# Altium PCB hosin.PcbDoc
Units mm, origin at the board's own origin, x right, y up, seen from the top; angles counter-clockwise.
Board outline 90.57 x 150.86 mm, 2 copper layers (Top Layer, Bottom Layer); 52 components, 52 nets, 196 pads, 7 vias.
Unrouted connection lines stored in the file: 2.
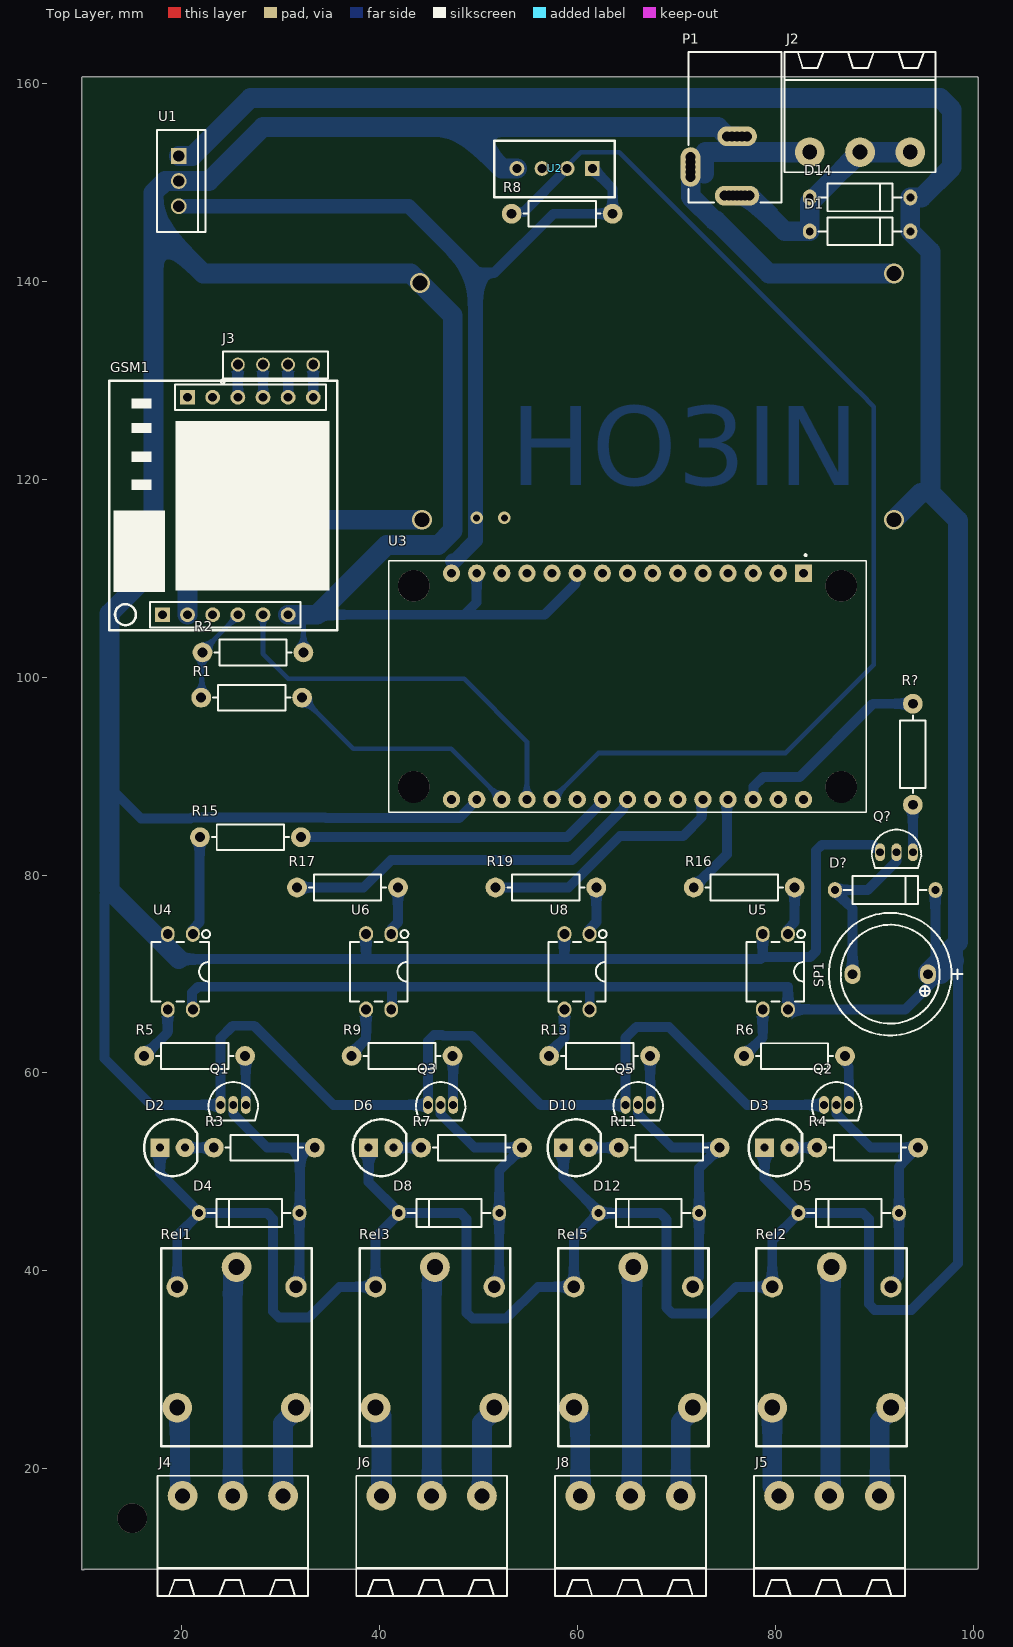
[diagram p0: Top Layer view]
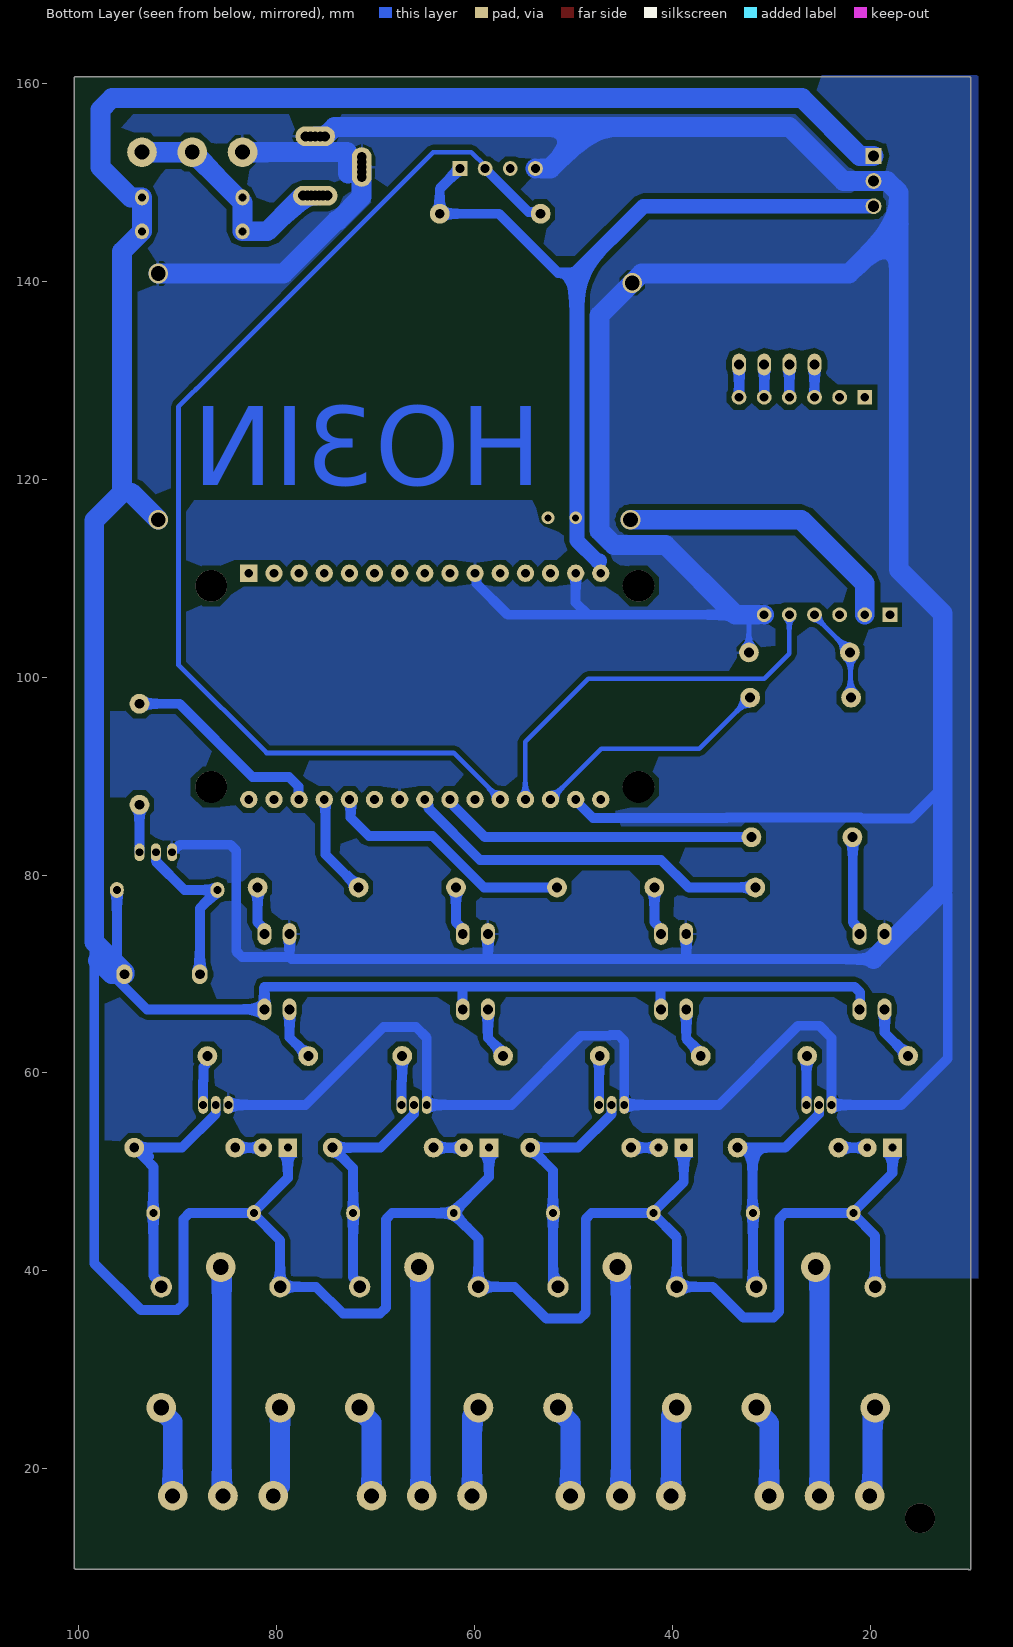
[diagram p1: Bottom Layer view, seen from below]

## Layer stack, top to bottom
Top Solder: solder mask 0.0102, Solder Resist, Dk 3.5
Top Layer: signal copper 0.0356
Dielectric 1: dielectric 0.32, FR-4, Dk 4.8
Bottom Layer: signal copper 0.0356
Bottom Solder: solder mask 0.0102, Solder Resist, Dk 3.5

## Board outline
9.88,9.906 9.88,130.429 9.88,160.528 cw(c10,160.528) 10,160.648 100.33,160.648 cw(c100.33,160.528) 100.45,160.528 100.45,10 cw(c100.33,10) 100.33,9.88 10.117,9.88 cw(c10,9.906)

## Design rules (kind name [scope] priority, off if disabled: settings)
Clearance [All] p1: gap=0.5 ignorepadtopadclearanceinfootprint=FALSE
DiffPairsRouting [All] p1: maxlimit=0.4 minlimit=0.05 mostfreqgap=0.2 toplayer_minwidth=0.1 toplayer_maxwidth=0.381 toplayer_prefwidth=0.2 bottomlayer_minwidth=0.1 bottomlayer_maxwidth=0.381 bottomlayer_prefwidth=0.2 maxuncoupledlength=12.7
PolygonConnect [All] p1: connectstyle=Relief reliefconductorwidth=0.254 reliefentries=4 polygonreliefangle="90 Angle" airgapwidth=0.254
RoutingCorners [All] p1: cornerstyle=45-Degree minsetback=0.254 maxsetback=0.254
RoutingVias [All] p1: holewidth=0.711 width=1.27 viastyle="Through Hole" minholewidth=0.711 minwidth=1.27 maxholewidth=0.711 maxwidth=1.27
SolderMaskExpansion [All] p1: expansion=0.102 istentingtop=FALSE
Width [All] p1: maxlimit=2 minlimit=0.24 preferedwidth=0.48
28 further rules are at their usual default settings.

## Components (designator, comment, footprint, x,y, rotation, side; value= is the part's Value field where it differs from the comment)
D1 "1N4007" D_AX04_DO41 88.519,145.034 r0 top
D2 "LED" LED 19.05,52.451 r180 top
D3 "LED" LED 80.137,52.451 r180 top
D4 "1N4007" D_AX04_DO41 26.797,45.847 r180 top
D5 "1N4007" D_AX04_DO41 87.376,45.847 r180 top
D6 "LED" LED 40.132,52.451 r180 top
D8 "1N4007" D_AX04_DO41 46.99,45.847 r180 top
D10 "LED" LED 59.817,52.451 r180 top
D12 "1N4007" D_AX04_DO41 67.183,45.847 r180 top
D14 "1N4007" D_AX04_DO41 88.519,148.463 r0 top
D? "1N4007" D_AX04_DO41 91.059,78.486 r0 top
GSM1 "Sim800L" Sim800L 12.929,104.699 r90 top
J2 "CONN_TB3" MSTB_3 88.519,153.035 r0 top
J3 "HDRF4" HDR_F_1X4 29.464,131.572 r0 top
J4 "CONN_TB3" MSTB_3 25.146,17.272 r180 top
J5 "CONN_TB3" MSTB_3 85.42,17.272 r180 top
J6 "CONN_TB3" MSTB_3 45.237,17.272 r180 top
J8 "CONN_TB3" MSTB_3 65.329,17.272 r180 top
P1 "PJ" "Power Jack" 76.093,163.135 r270 top
Q1 "C945" TO92_3#1 25.188,56.769 r0 top
Q2 "C945" TO92_3#1 86.148,56.769 r0 top
Q3 "C945" TO92_3#1 46.143,56.769 r0 top
Q5 "C945" TO92_3#1 66.102,56.769 r0 top
Q? "C945" TO92_3#2 92.202,82.296 r0 top
R1 "2.2K" R025W_AX04 27.051,97.917 r180 top
R2 "1K" R025W_AX04 27.178,102.489 r180 top
R3 "2.2K" R025W_AX04 28.321,52.451 r0 top
R4 "2.2K" R025W_AX04 89.281,52.451 r0 top
R5 "1K" R025W_AX04 21.292,61.723 r0 top
R6 "1K" R025W_AX04 81.895,61.702 r0 top
R7 "2.2K" R025W_AX04 49.276,52.451 r0 top
R8 "1K" R025W_AX04 58.42,146.812 r180 top
R9 "1K" R025W_AX04 42.247,61.723 r0 top
R11 "2.2K" R025W_AX04 69.235,52.451 r0 top
R13 "1K" R025W_AX04 62.21,61.723 r0 top
R15 "220" R025W_AX04 26.924,83.82 r180 top
R16 "220" R025W_AX04 76.814,78.74 r0 top
R17 "220" R025W_AX04 36.733,78.74 r0 top
R19 "220" R025W_AX04 56.773,78.74 r0 top
R? "1K" R025W_AX04 93.853,92.202 r270 top
Rel1 "RelayGH-1C-12L" GH-1C-12L 25.527,32.288 r90 top
Rel2 "RelayGH-1C-12L" GH-1C-12L 85.649,32.288 r90 top
Rel3 "RelayGH-1C-12L" GH-1C-12L 45.568,32.288 r90 top
Rel5 "RelayGH-1C-12L" GH-1C-12L 65.608,32.288 r90 top
SP1 "" "BUZZER 7.62mm DC" 91.567,69.977 r180 top
U1 "7805" 7805_Requlator 19.685,150.114 r270 top
U2 "DHT11" DHT11 57.658,151.384 r180 top
U3 "NodeMCU" NodeMCU 11.303,240.919 r270 top
U4 "PC817" DIP_4 19.84,70.231 r270 top
U5 "PC817" DIP_4 79.962,70.231 r270 top
U6 "PC817" DIP_4 39.881,70.231 r270 top
U8 "PC817" DIP_4 59.922,70.231 r270 top

## Footprints (in the part's own frame and the unit in brackets; to place one, negate y for a bottom-side part, rotate by r counter-clockwise, add the part's x,y. Pads: shape width x height; smd on the part's side, far side on the other; paste and mask are expansions set on the pad)
7805_Requlator [mm] "7805 Positive Regulator"
  rect 1.6x1.6 hole 1.143: 1(-2.54,0)
  round 1.6 hole 1.143: 2(0,0) 3(2.54,0)
  silkscreen extent -5.15,-2.2 5.15,2.7, body extent -4.95,-2.16 4.95,2.34, height 20.8
"BUZZER 7.62mm DC" [mm] "BUZZER 12mm DIA , 7.62mm pitch DESIGNER ABBAS BASEREH"
  oval 1.6x2 hole 1: 1(-3.81,0) 2(3.81,0)
  silkscreen extent -7.3,-6.2 6.2,6.2, body extent -6,-6 6,6, height 9.5
D_AX04_DO41 [mm] "DIODE 0.4 INCH SPACING DO-41"
  oval 1.4x1.6 hole 0.8: 1(-5.08,0) 2(5.08,0)
  silkscreen extent -4.2,-1.4 4.2,1.4, body extent -5.68,-1.32 5.68,1.4, height 2.85
DHT11 [mm] "(Make www.tarahiboard.com)"
  rect 1.5x1.5 hole 0.9: 1(-3.81,0)
  round 1.5 hole 0.9: 2(-1.27,0) 3(1.27,0) 4(3.81,0)
  silkscreen extent -6.1,-2.79 6.1,2.92, body extent -6.03,-2.75 5.97,2.75, height 18.25
DIP_4 [mm] "BRIDGE DIODE, DIP, pitch 2.54mm, 300mil Width"
  oval 1.6x1.4 / inner round 1.4 / far side oval 2.2x1.4 hole 1: 1(-3.81,1.27) 2(-3.81,-1.27) 3(3.81,-1.27) 4(3.81,1.27)
  silkscreen extent -4.2,-2.9 3,3, body extent -4,-2.77 4,2.77, height 4.31
GH-1C-12L [mm]
  round 3 hole 1.6: 1(8.1,0) 3(-6.1,6) 4(-6.1,-6)
  round 2.159 hole 1.27: 2(6.1,6) 5(6.1,-6)
  silkscreen extent -10,-7.6 10,7.6, body extent -9.71,-7.98 9.79,7.92, height 15
HDR_F_1X4 [mm] "HEADER FEMALE pitch: 2.54mm"
  round 1.4 / inner round 1.4 / far side oval 1.4x2.2 hole 1 mask+0.1: 1(-3.81,0) 2(-1.27,0) 3(1.27,0) 4(3.81,0)
  silkscreen extent -5.54,-1.9 5.3,1.3, body extent -5.2,-1.3 5.21,1.2, height 8.5
LED [mm]
  rect 1.9x1.9 hole 0.8: 1(1.27,0)
  round 1.9 hole 0.8: 2(-1.27,0)
  silkscreen extent -2.52,-2.87 2.87,2.87, body extent -2.95,-2.95 2.95,2.95, height 8.79
MSTB_3 [mm] "PHOENIX MSTB 2, 5-G, 5.08mm pitch, 3pin"
  round 3 hole 1.5: 1(-5.08,0) 2(0,0) 3(5.08,0)
  silkscreen extent -7.62,-2.03 7.62,10.1, body extent -7.5,-2 7.5,10, height 8.6
NodeMCU [mil]
  rect 69x69 hole 35: 1(5135,2815)
  round 69 hole 35: 2(5135,2715) 3(5135,2615) 4(5135,2515) 5(5135,2415) 6(5135,2315) 7(5135,2215) 8(5135,2115) 9(5135,2015) 10(5135,1915) 11(5135,1815) 12(5135,1715) 13(5135,1615) 14(5135,1515) 15(5135,1415) 16(6035,1415) 17(6035,1515) 18(6035,1615) 19(6035,1715) 20(6035,1815) 21(6035,1915) 22(6035,2015) 23(6035,2115) 24(6035,2215) 25(6035,2315) 26(6035,2415) 27(6035,2515) 28(6035,2615) 29(6035,2715) 30(6035,2815)
  round 125.98 hole 125.98 unplated: ""(5185,2965) ""(5185,1265) ""(5985,2965) ""(5985,1265)
  silkscreen extent 5059,1165 6085,3065, body extent 5085,1156 6085,3070, height 505
"Power Jack" [mm] "Power Adaptor Jack"
  round 1.5 hole 1: 1(14.5,-1.25) 1(14.5,-0.8) 1(14.5,-0.4) 1(14.5,0.4) 1(14.5,0.8) 1(14.5,1.25) 2(8.5,-1) 2(8.5,1) 2(8.5,-0.5) 2(8.5,0.5) 3(10.6,-4.7) 3(11.1,-4.7) 3(12.1,-4.7) 3(12.6,-4.7)
  oval 2x4.5 hole 1: 1(14.5,0)
  oval 2x4 hole 1: 2(8.5,0)
  oval 4x2 hole 1: 3(11.6,-4.7)
  silkscreen extent 0,-4.9 15.2,4.5, body extent 0,-4.9 15.2,4.5, height 11
R025W_AX04 [mm] "RESISTOR 1/4 WATT, AXIAL0.4"
  round 2 hole 1: 1(-5.1,0) 2(5.1,0)
  silkscreen extent -3.9,-1.3 3.9,1.3, body extent -5.38,-1.28 5.38,1.28, height 2.6
Sim800L [mm]
  rect 1.5x1.5 hole 0.9: 1(1.6,-5.105) 7(23.571,-7.645)
  round 1.5 hole 0.9: 2(1.6,-7.645) 3(1.6,-10.185) 4(1.6,-12.725) 5(1.6,-15.265) 6(1.6,-17.805) 8(23.571,-10.185) 9(23.571,-12.725) 10(23.571,-15.265) 11(23.571,-17.805) 12(23.571,-20.345)
  silkscreen extent 0.03,-22.76 25.22,0.28, body extent 0.12,-23 25.12,0.14, height 10.1
TO92_3#1 [mm] "TO-92, SOT54"
  oval 1x1.8 hole 0.8 mask+0.1: 1(-1.27,0) 2(0,0) 3(1.27,0)
  silkscreen extent -2.5,-1.59 2.5,2.3, body extent -2.38,-1.45 2.38,2.18, height 4.82
TO92_3#2 [mm] "TO-92, SOT54"
  oval 1x1.8 hole 0.8 mask+0.1: 1(-1.651,0) 2(0,0) 3(1.651,0)
  silkscreen extent -2.5,-1.59 2.5,2.3, body extent -2.38,-1.45 2.38,2.18, height 4.82

## Part data
D1 D4 D5 D8 D12 D14 D?: library part DIODE_THD_1N4007, "DIODE, GENERAL PURPOSE, 1000V/1A", ASSEMBLY=ASSEMBLY, DESC=DESCRIPTION, MANF=Diodes, MANF_P#=1N4007, PARAM="1000V, 1.15V", PARAM2=1.5A, Price=PRICE
D2 D3 D6 D10: "Led", LatestRevisionDate=08-Jul-2005, LatestRevisionNote="Mech Layer 1 removed.", PackageReference=LED-0, Published=8-Jun-2000, PUBLISHER="Altium Limited"
J2 J4 J5 J6 J8: library part CONN_MSTB_3, "CONN, PHOENIX MSTB, 5-G, 5.08mm pitch"
J3: library part HDR_F_1X4, "CONN, HEADER, Female, pitch: 2.54mm, 4POS"
P1: library part "Power Jack", "Power Jack"
Q1 Q2 Q3 Q5 Q?: library part NPN_C945_TO92, "BJT, NPN, 50v, 0.15A, THD, TO92, BC945", MANF=-, MANF_P#="C945, 2SC945, BC945", PARAM="50v, 0.15A", PARAM2=250mW
R1 R2 R3 R4 R5 R6 R7 R8 R9 R11 R13 R15 R16 R17 R19 R?: library part RES_THD, "RESISTOR, THD", ASSEMBLY=ASSEMBLY, DESC=DESCRIPTION, DIST#=MOUSER, MANF="KOA SPEER", MANF_P#=RK73H1ETTP4701F, PARAM=0.063W, PARAM2=1%, Price="100= 0.5$"
Rel1 Rel2 Rel3 Rel5: "HJR-3FF-12VDC-S-Z"
SP1: library part "PIEZO BUZZER", "PIEZO BUZZER ACTIVE", Comment_1="SPEAKER AND BEEP", ComponentLink2Description=Reference, Design Date=1395/11/14, Designer="Abbas Basereh", Mounting Technology=THD, PackageDescription=THD, Pin Count=2, PUBLISHER="Abbas Basereh", Status=Unreleased
U1: "Three-Terminal Positive Voltage Regulator", Code_JEDEC=TO-262-AA, ComponentLink1Description="Manufacturer Link", ComponentLink1URL=http://www.onsemi.com/site/products/taxonomy/0,4438,503,00.html, ComponentLink2Description=Datasheet, ComponentLink2URL=http://www.onsemi.com/pub/Collateral/MC7800-D.PDF, DatasheetVersion=1997, Note="Heatsink surface is connected to Pin 2", PackageDescription="TO, Thru-Hole, Vertical, Heatsink Mounted; 3 In-Line Leads; Pitch 2.54 mm", PackageReference=221A-06, PackageVersion=1997, PUBLISHER="Altium Limited"
U3: "NodeMcu Lua ESP8266 WIFI Internet of Things Network Development Module Board", Package=None, Availability=Unavailable, MF=YKS, MP=ZC563900, Price=None, SnapEDA_Link=https://www.snapeda.com/parts/ZC563900/YKS/view-part/607853/?ref=snap
U4 U5 U6 U8: library part OPTC_TR4P_PC817, "OPTOCOUPLER, TRANSISTOR, 4PIN", MANF=SHARP, MANF_P#=PC817, PARAM=IF=20mA, PARAM2="VCE = 35V", Price=-
U2: ComponentLink1Description="Website: Tarahiboard", ComponentLink1URL=https://www.tarahiboard.com/product/library-pack, DatasheetVersion=2022

## Via types
v1: diameter 2, hole 1.5, Top Layer to Bottom Layer, 4 vias
v2: diameter 1.27, hole 0.711, Top Layer to Bottom Layer, 2 vias
v3: diameter 3, hole 3, Top Layer to Bottom Layer, 1 vias

## Nets (pads, with @x,y where several pads share a name; then routed paths per layer and width w, separated by ;. In a path a pad name is that pad's centre, name@x,y a point inside that pad or via, vN(x,y) a via of type N, cw(c..) or ccw(c..) an arc to the next point about the centre after c; other vN are vias at no path point)
4.2V: GSM1.2 | length 29.5
  Bottom Layer w2: GSM1.2 20.574,109.474 26.994,115.894 v1(44.253,115.894)
5V: R8.1 U1.3 U2.1 U3.15 | length 86
  Bottom Layer w1: U3.15 47.353,110.599 47.353,111.742 ; 49.657,140.843 51.562,140.843 57.531,146.812 R8.1 63.52,149.332 U2.1
  Bottom Layer w1.5: U1.3 42.926,147.574 49.657,140.843 49.657,113.792 47.607,111.742 47.353,111.742
  other v2: 49.784,116.078
12_24VDC: D1.1 D14.1 J2.2 J2.3 P1.1 | length 24
  Bottom Layer w2: P1.1@76.093,148.635 76.493,148.635 76.893,148.635 77.343,148.635 80.944,145.034 D1.1 83.439,147.955 J2.2 J2.3
12V: D1.2 D2.1 D3.1 D4.2 D5.2 D6.1 D8.2 D10.1 D12.2 D14.2 D?.2 Rel1.2 Rel2.2 Rel3.2 Rel5.2 SP1.1 U1.1 U4.4 U5.4 U6.4 U8.4 | length 488
  Bottom Layer w1: D2.1 17.78,49.884 21.717,45.947 D4.2 ; Rel1.2 19.527,43.557 21.717,45.747 D4.2 ; U4.4 21.034,66.498 21.034,68.121 21.62,68.707 61.214,68.707 ; D6.1 38.862,48.995 41.91,45.947 D8.2 ; U6.4 41.228,66.498 41.228,68.58 ; D10.1 58.547,49.503 62.103,45.947 D12.2 ; U8.4 61.214,66.443 61.214,68.707 ; D3.1 78.867,49.376 82.296,45.947 D5.2 ; SP1.1@96.012,69.342 93.091,66.421 U5.4 81.232,68.707 61.214,68.707 ; 96.139,71.101 D?.2 ; 98.044,71.374 98.044,72.844 98.425,73.225 98.425,72.844 98.425,71.374 98.425,40.764 93.729,36.068 89.994,36.068 89.408,36.654 89.408,45.261 88.822,45.847 D5.2 ; D4.2 28.624,45.847 29.21,45.261 29.21,35.892 29.796,35.306 32.846,35.306 35.928,38.388 Rel3.2 39.568,43.405 41.91,45.747 D8.2 ; D8.2 48.182,45.847 48.768,45.261 48.768,35.765 49.354,35.179 52.759,35.179 55.968,38.388 Rel5.2 59.608,43.252 62.103,45.747 D12.2 ; D12.2 68.326,45.847 68.961,45.212 68.961,36.273 69.547,35.687 73.308,35.687 76.009,38.388 Rel2.2 79.649,43.1 82.296,45.747 D5.2
  Bottom Layer w2: U1.1 21.082,152.654 26.924,158.496 96.618,158.496 97.79,157.324 97.79,151.511 94.742,148.463 D14.2 D1.2 95.631,143.002 95.631,118.618 ; v1(91.958,115.894) 94.682,118.618 95.631,118.618 ; SP1.1 96.647,69.977 98.044,71.374 ; SP1.1@95.377,70.177 98.425,73.225 98.425,115.824 95.631,118.618
DHT11: R8.2 U2.2 U3.20 | length 114.2
  Bottom Layer w0.48: U3.20 62.103,92.329 81.017,92.329 89.916,101.228 89.916,127.315 88.568,128.663 88.568,128.669 88.134,129.102 88.129,129.102 64.196,153.035 60.325,153.035 58.928,151.638 U2.2
  Bottom Layer w1: R8.2 53.511,147.003 54.547,147.003 U2.2
GND: GSM1.6 J2.1 P1.2 P1.3 Q1.1 Q2.1 Q3.1 Q5.1 Q?.1 R2.1 U1.2 U2.4 U3.10 U3.14 U3.17 U3.24 U4.2 U5.2 U6.2 U8.2 | length 554.6
  Bottom Layer w0.48: R2.1 32.278,106.192 32.385,106.299
  Bottom Layer w1: 12.7,78.486 12.192,77.978 12.192,61.468 16.891,56.769 Q1.1 23.918,63.542 25.146,64.77 27.305,64.77 35.306,56.769 Q3.1 44.873,63.236 45.458,63.822 46.287,63.822 46.355,63.754 49.276,63.754 56.261,56.769 Q5.1 64.832,63.562 65.913,64.643 69.215,64.643 77.089,56.769 Q2.1 ; 12.7,88.9 15.875,85.725 20.901,85.725 20.996,85.82 34.475,85.82 34.542,85.754 48.021,85.754 49.784,87.517 U3.17 ; 19.685,71.501 38.735,71.501 ; 33.655,106.299 48.563,106.299 ; U6.2 38.611,71.625 38.735,71.501 ; U3.14 49.784,107.52 48.563,106.299 ; U8.2 58.652,71.516 58.636,71.501 ; U3.10 59.8,110.346 59.8,109.457 56.642,106.299 48.563,106.299 ; U5.2 78.692,71.707 ; Q?.1 90.551,82.696 90.151,82.696 89.789,83.058 84.66,83.058 84.074,82.472 84.074,72.293 83.488,71.707 78.692,71.707 ; 38.735,71.501 58.636,71.501 ; 58.636,71.501 78.486,71.501 78.692,71.707
  Bottom Layer w2: 19.685,71.501 12.7,78.486 12.7,88.9 12.7,106.426 17.145,110.871 17.145,145.796 ; GSM1.6 32.385,106.299 33.655,106.299 40.703,113.347 45.91,113.347 47.371,114.808 47.371,136.525 43.119,140.777 22.164,140.777 17.145,145.796 ; U2.4 52.324,151.384 48.133,155.575 ; P1.3@71.393,151.535 71.393,151.035 71.393,150.535 71.417,150.535 71.417,148.525 73.807,146.135 73.956,146.135 79.314,140.777 v1(91.958,140.777) ; 72.771,150.876 72.771,151.876 ; 72.893,153.035 J2.1 ; P1.2@76.093,154.635 75.093,154.635 74.153,155.575 48.133,155.575 ; 17.145,145.796 17.145,148.942 18.317,150.114 22.733,150.114 28.194,155.575 48.133,155.575
  other v1: 44.069,139.827
  other v2: 52.578,116.078
NetD2_2: D2.2 R3.1 | length 2.9
  Bottom Layer w1: D2.2 R3.1
NetD3_2: D3.2 R4.1 | length 2.8
  Bottom Layer w1: D3.2 R4.1
NetD4_1: D4.1 Q1.2 R3.2 Rel1.5 | length 24.8
  Bottom Layer w1: Q1.2 25.188,55.866 28.602,52.451 31.919,52.451 ; Rel1.5 31.527,38.702 31.877,39.052 D4.1 31.919,45.889 31.919,52.451 ; R3.2 31.919,52.451
NetD5_1: D5.1 Q2.2 R4.2 Rel2.5 | length 26.2
  Bottom Layer w1: Q2.2 86.148,55.866 89.562,52.451 R4.2 93.18,51.25 ; Rel2.5 91.649,38.702 92.456,39.509 D5.1 92.456,50.526 93.18,51.25 ; 92.879,51.551 93.18,51.25
NetD6_2: D6.2 R7.1 | length 2.8
  Bottom Layer w1: D6.2 R7.1
NetD8_1: D8.1 Q3.2 R7.2 Rel3.5 | length 25.8
  Bottom Layer w1: Q3.2 46.143,55.866 49.557,52.451 R7.2 52.07,50.145 D8.1 52.07,39.204 51.568,38.702 Rel3.5
NetD10_2: D10.2 R11.1 | length 3
  Bottom Layer w1: D10.2 R11.1
NetD12_1: D12.1 Q5.2 R11.2 Rel5.5 | length 25.7
  Bottom Layer w1: Q5.2 66.102,55.866 69.516,52.451 R11.2 72.263,50.379 D12.1 72.263,39.356 71.608,38.702 Rel5.5
NetD?_1: D?.1 Q?.2 SP1.2 | length 17.6
  Bottom Layer w1: SP1.2 87.757,76.608 85.979,78.386 D?.1 89.295,78.486 92.202,81.393 Q?.2
NetGSM1_4: GSM1.4 R1.2 R2.2 | length 9.9
  Bottom Layer w0.48: R1.2 22.015,97.98 22.015,102.425 R2.2 22.078,102.606 25.654,106.182 GSM1.4
NetGSM1_9: GSM1.9 J3.1 | length 3.3
  Bottom Layer w1: GSM1.9 J3.1
NetGSM1_10: GSM1.10 J3.2 | length 3.3
  Bottom Layer w1: GSM1.10 J3.2
NetGSM1_11: GSM1.11 J3.3 | length 3.3
  Bottom Layer w1: GSM1.11 J3.3
NetGSM1_12: GSM1.12 J3.4 | length 3.3
  Bottom Layer w1: GSM1.12 J3.4
NetJ4_1: J4.1 Rel1.4 | length 9.5
  Bottom Layer w2: J4.1 30.226,24.616 31.527,25.917 Rel1.4
NetJ4_2: J4.2 Rel1.1 | length 23.3
  Bottom Layer w2: J4.2 25.146,39.736 25.527,40.117 Rel1.1
NetJ4_3: J4.3 Rel1.3 | length 9.1
  Bottom Layer w1: Rel1.3 Rel1.3@19.797,25.919 ; J4.3@19.797,17.541 J4.3
  Bottom Layer w2: J4.3@19.797,17.541 Rel1.3@19.797,25.919
NetJ5_1: J5.1 Rel2.4 | length 9.4
  Bottom Layer w2: J5.1 90.5,24.769 91.649,25.917 Rel2.4
NetJ5_2: J5.2 Rel2.1 | length 23.2
  Bottom Layer w2: J5.2 85.534,17.386 85.534,40.274 Rel2.1
NetJ5_3: J5.3 Rel2.3 | length 9.2
  Bottom Layer w2: Rel2.3 79.649,18.234 80.34,17.543 J5.3
NetJ6_1: J6.1 Rel3.4 | length 9.4
  Bottom Layer w2: J6.1 50.317,24.667 51.568,25.917 Rel3.4
NetJ6_2: J6.2 Rel3.1 | length 23.3
  Bottom Layer w2: J6.2 45.237,39.787 45.568,40.117 Rel3.1
NetJ6_3: J6.3 Rel3.3 | length 9.2
  Bottom Layer w2: Rel3.3 39.568,25.917 40.157,25.328 J6.3
NetJ8_1: J8.1 Rel5.4 | length 9.4
  Bottom Layer w2: J8.1 70.409,24.718 71.608,25.917 Rel5.4
NetJ8_2: J8.2 Rel5.1 | length 23.2
  Bottom Layer w2: J8.2 65.468,17.412 65.468,40.248 Rel5.1
NetJ8_3: J8.3 Rel5.3 | length 9.2
  Bottom Layer w2: Rel5.3 59.608,25.917 60.249,25.277 J8.3
NetQ1_3: Q1.3 R5.2 | length 5
  Bottom Layer w1: R5.2 26.458,61.657 Q1.3
NetQ2_3: Q2.3 R6.2 | length 5.1
  Bottom Layer w1: R6.2 87.186,61.511 87.186,60.806 87.376,60.616 87.376,59.211 87.418,59.169 Q2.3
NetQ3_3: Q3.3 R9.2 | length 5
  Bottom Layer w1: R9.2 47.413,61.657 Q3.3
NetQ5_3: Q5.3 R13.2 | length 5
  Bottom Layer w1: R13.2 67.31,59.223 67.372,59.162 Q5.3
NetQ?_3: Q?.3 R?.2 | length 4.8
  Bottom Layer w1: Q?.3 R?.2
NetR5_1: R5.1 U4.3 | length 5.7
  Bottom Layer w1: R5.1 18.57,64.102 U4.3
NetR6_1: R6.1 U5.3 | length 5.5
  Bottom Layer w1: R6.1 78.692,63.599 U5.3
NetR9_1: R9.1 U6.3 | length 5.3
  Bottom Layer w1: R9.1 37.147,61.994 38.611,63.458 U6.3
NetR13_1: R13.1 U8.3 | length 5.3
  Bottom Layer w1: R13.1 57.11,61.994 58.652,63.536 U8.3
NetR15_2: R15.2 U4.1 | length 10.1
  Bottom Layer w1: U4.1 21.11,74.549 21.792,75.231 R15.2@21.792,83.82
NetR16_2: R16.2 U5.1 | length 5
  Bottom Layer w1: U5.1 81.232,74.549 81.914,75.231 R16.2
NetR17_2: R17.2 U6.1 | length 5
  Bottom Layer w1: U6.1 41.151,74.549 41.833,75.231 R17.2
NetR19_2: R19.2 U8.1 | length 5
  Bottom Layer w1: U8.1 61.192,74.549 61.873,75.231 R19.2
OUTPUT1: R15.1 U3.22 | length 32.2
  Bottom Layer w1: R15.1 58.928,83.82 62.108,87 62.108,87.05 62.484,87.426 U3.22
OUTPUT2: R17.1 U3.23 | length 37.4
  Bottom Layer w1: R17.1 38.354,78.74 41.148,81.534 59.436,81.534 64.648,86.746 64.648,87.05 65.024,87.426 U3.23
OUTPUT3: R19.1 U3.26 | length 25.6
  Bottom Layer w1: R19.1 59.055,78.74 64.262,83.947 70.661,83.947 72.517,85.803 72.517,87.503 U3.26
OUTPUT4: R16.1 U3.27 | length 10.3
  Bottom Layer w1: R16.1 75.057,82.083 75.057,87.503 U3.27
OUTPUT5: R?.1 U3.28 | length 20.9
  Bottom Layer w1: U3.28 77.769,87.675 77.769,88.945 78.74,89.916 82.423,89.916 89.809,97.302 R?.1
UART2-RX: GSM1.5 U3.19 | length 40.1
  Bottom Layer w0.48: GSM1.5 28.194,102.362 30.734,99.822 48.514,99.822 54.864,93.472 U3.19
UART2-TX: R1.1 U3.18 | length 24.4
  Bottom Layer w0.48: R1.1 37.318,92.75 47.204,92.75 U3.18
pads on no net: GSM1.1 GSM1.3 GSM1.7 GSM1.8 U2.3 U3. U3.1 U3.2 U3.3 U3.4 U3.5 U3.6 U3.7 U3.8 U3.9 U3.11 U3.12 U3.13 U3.16 U3.21 U3.25 U3.29 U3.30
copper on no net:
  other v3: 15,15

## Polygon pours and split planes (outlines as drawn)
GND on Bottom Layer "GND_L02_P000" (solid, remove dead copper, pour order 0): 9.246,160.807 9.119,160.68 9.119,39.243 100.45,39.243 100.45,101.009 100.73,160.807

## Other copper
Bottom Layer:
  text "HO3IN" at 53.197,119.364 h8

## Silkscreen, mask and mechanical layers (free items; w line width, h text height)
Mechanical 1:
  lines w0.24: 10,9.906 10,130.429 ; 10,10 100.33,10 100.33,160.528 10,160.528 10,130 ; 10.033,10.033 11.43,10.033